# KiCad board Panel_R0.5.1_300x300_2layer_step1.kicad_pcb (continued)
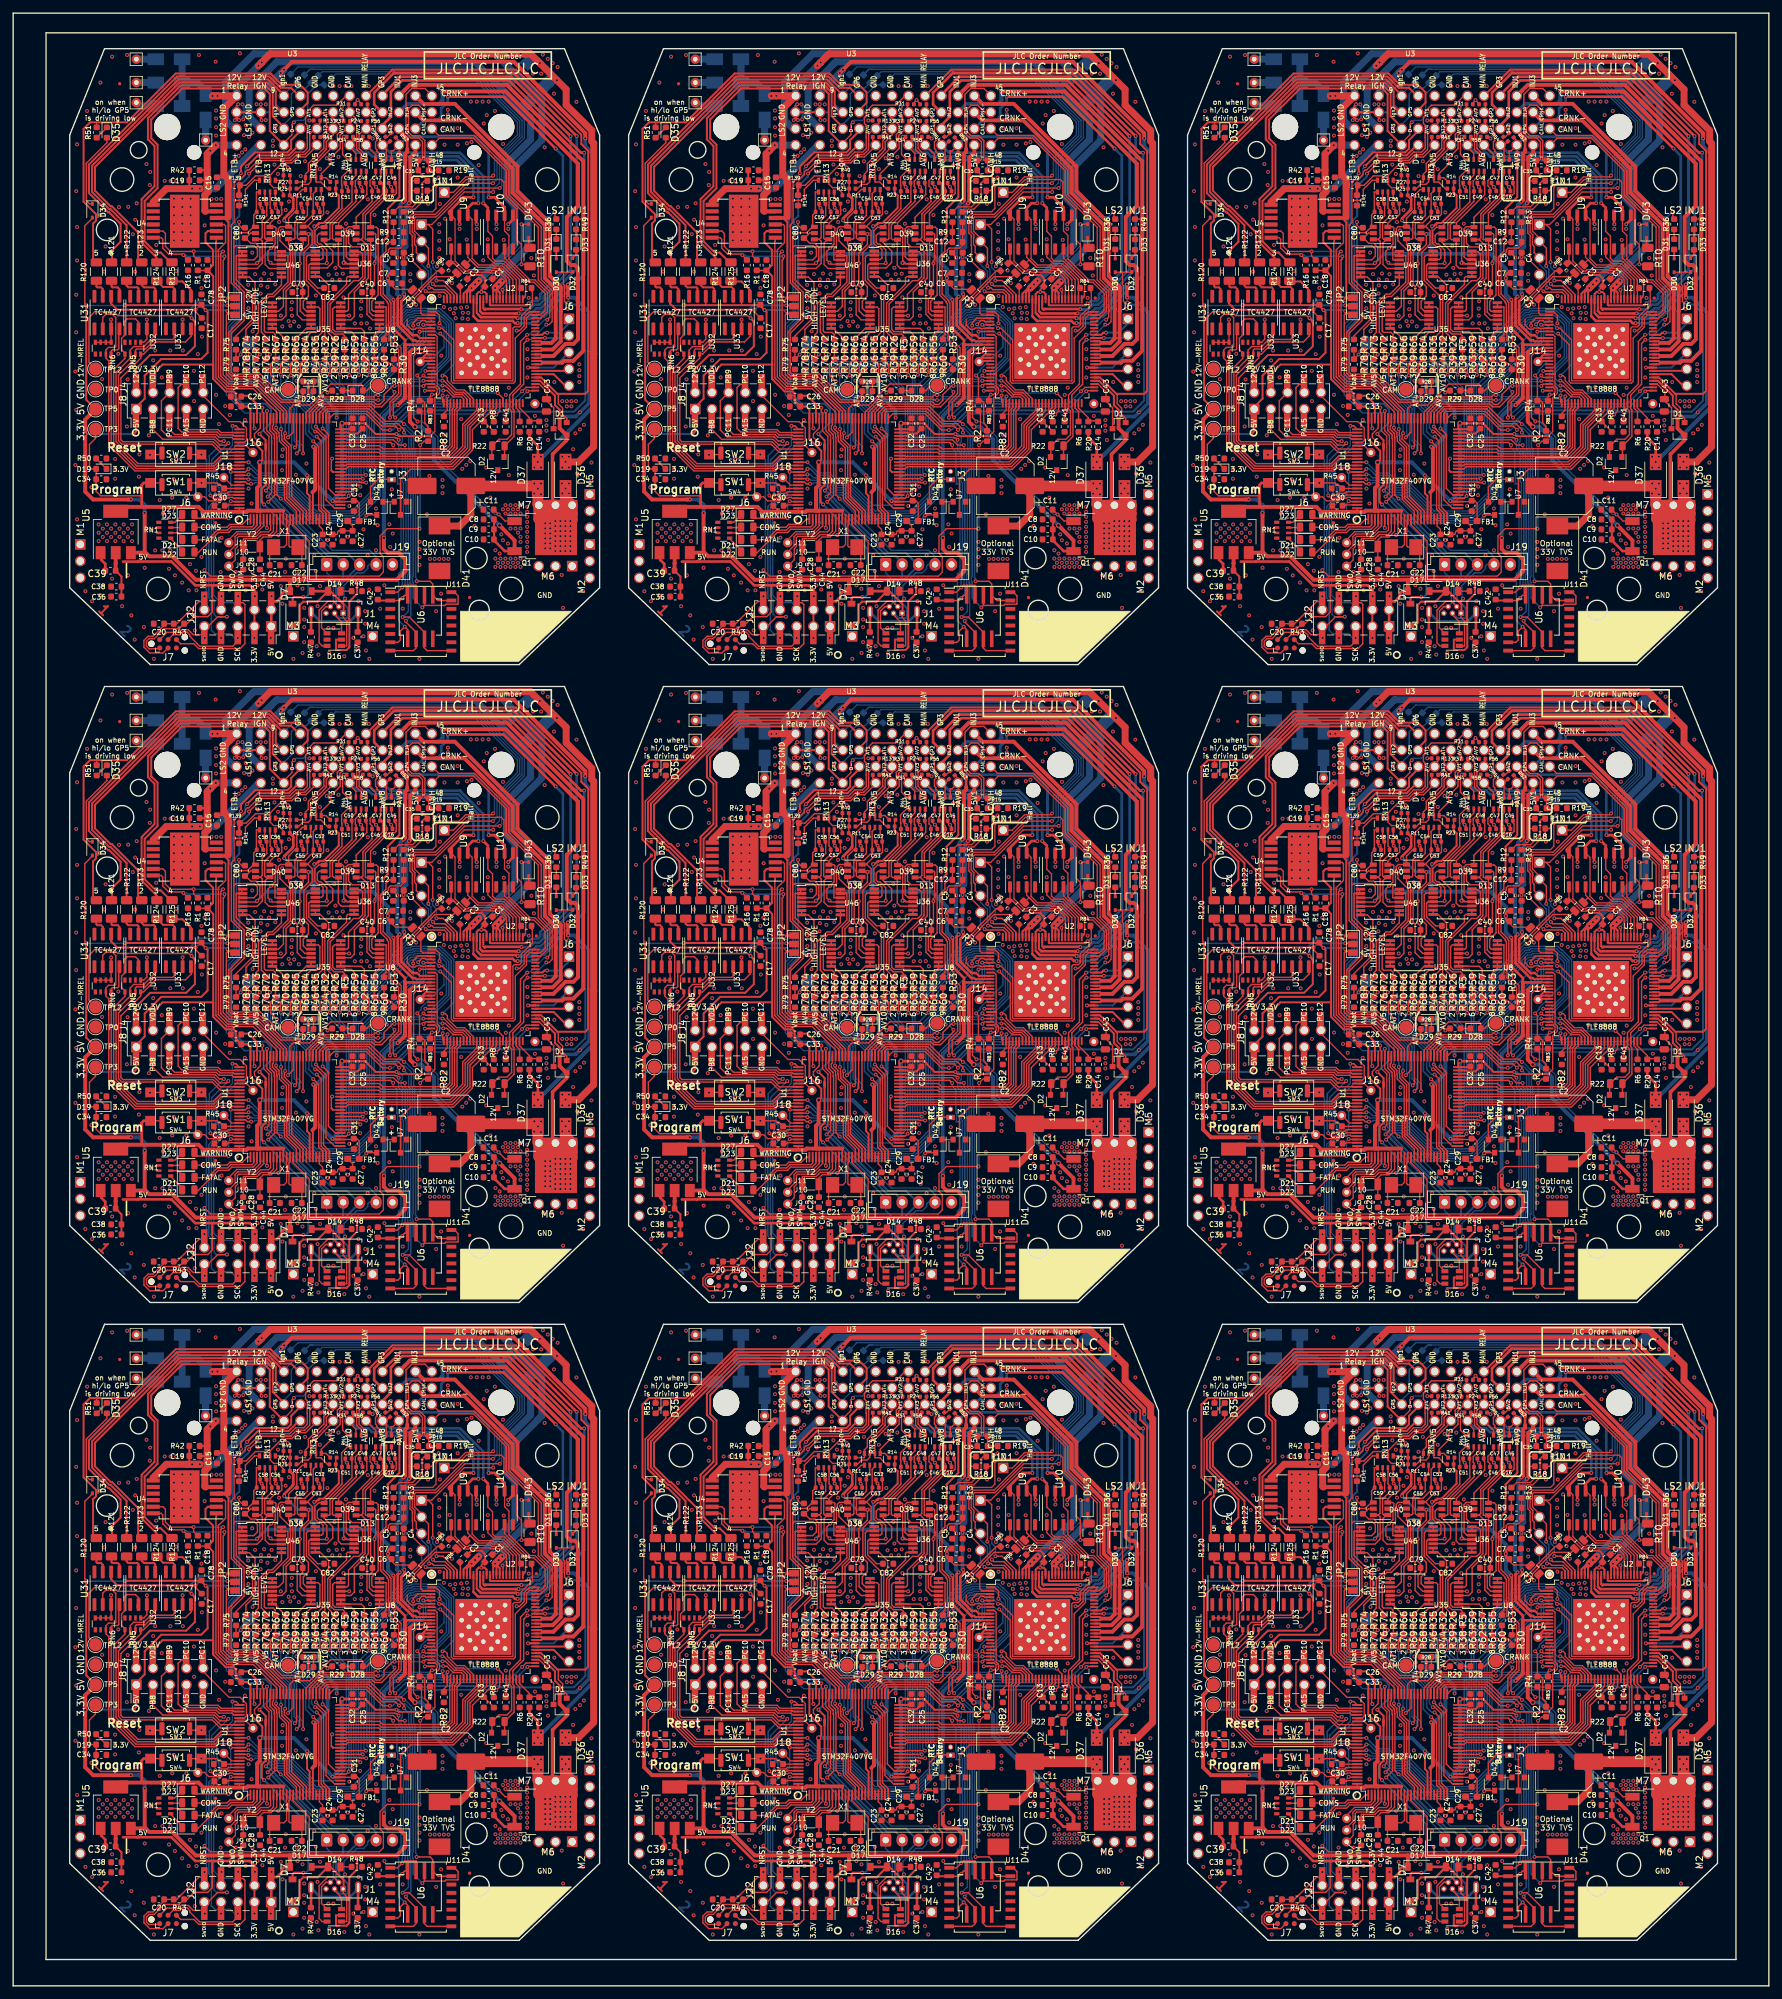
[diagram p0: board, top side]
## Routing (per net, layer and track width the routed paths; a pad name or vN(x,y) marks a point on that pad's centre or on a via; arc(x,y) is an arc through that point) (continued)
/TLE8888-1QK/V6GATE: length 334.2
  Top w0.216: C11#2.1 v1(158.83,223.76) 159.83,222.76 Q1#2.1 ; v1(146.5,237.9) 145.9,238.5 145.9,247.9 146.35,248.35 147.42,248.35 147.66,248.6 U2#2.13 ; C11#3.1 v1(243.83,223.76) 244.83,222.76 Q1#3.1 ; v1(231.5,237.9) 230.9,238.5 230.9,247.9 231.35,248.35 232.42,248.35 232.66,248.6 U2#3.13 ; C11#6.1 v1(73.83,126.76) 74.83,125.76 Q1#6.1 ; v1(61.5,140.9) 60.9,141.5 60.9,150.9 61.35,151.35 62.42,151.35 62.66,151.6 U2#4.13 ; C11#4.1 v1(158.83,126.76) 159.83,125.76 Q1#4.1 ; v1(146.5,140.9) 145.9,141.5 145.9,150.9 146.35,151.35 147.42,151.35 147.66,151.6 U2#6.13 ; C11#5.1 v1(243.83,126.76) 244.83,125.76 Q1#5.1 ; v1(231.5,140.9) 230.9,141.5 230.9,150.9 231.35,151.35 232.42,151.35 232.66,151.6 U2#5.13 ; C11#8.1 v1(158.83,29.76) 159.83,28.76 Q1#8.1 ; U2#9.13 147.66,54.6 147.42,54.35 146.35,54.35 145.9,53.9 145.9,44.5 v1(146.5,43.9) ; C11#7.1 v1(243.83,29.76) 244.83,28.76 Q1#7.1 ; v1(231.5,43.9) 230.9,44.5 230.9,53.9 231.35,54.35 232.42,54.35 232.66,54.6 U2#8.13 ; v1(61.5,43.9) 60.9,44.5 60.9,53.9 61.35,54.35 62.42,54.35 62.66,54.6 U2#7.13 ; C11#9.1 v1(73.83,29.76) 74.83,28.76 Q1#9.1 ; v1(61.5,237.9) 60.9,238.5 60.9,247.9 61.35,248.35 62.42,248.35 62.66,248.6 U2.13 ; C11.1 v1(73.83,223.76) 74.83,222.76 Q1.1
  Bottom w0.203: v1(146.5,237.9) 147.2,237.9 149.6,235.5 149.6,233 ; v1(231.5,237.9) 232.2,237.9 234.6,235.5 234.6,233 ; v1(61.5,140.9) 62.2,140.9 64.6,138.5 64.6,136 ; v1(146.5,140.9) 147.2,140.9 149.6,138.5 149.6,136 ; 234.6,136 234.6,138.5 232.2,140.9 v1(231.5,140.9) ; v1(146.5,43.9) 147.2,43.9 149.6,41.5 149.6,39 ; 234.6,39 234.6,41.5 232.2,43.9 v1(231.5,43.9) ; v1(61.5,43.9) 62.2,43.9 64.6,41.5 64.6,39 ; v1(61.5,237.9) 62.2,237.9 64.6,235.5 64.6,233
  Bottom w0.216: 149.6,233 149.6,232.4 158.24,223.76 v1(158.83,223.76) ; v1(243.83,223.76) 243.24,223.76 234.6,232.4 234.6,233 ; 64.6,136 64.6,135.4 73.24,126.76 v1(73.83,126.76) ; v1(158.83,126.76) 158.24,126.76 149.6,135.4 149.6,136 ; 234.6,136 234.6,135.4 243.24,126.76 v1(243.83,126.76) ; v1(158.83,29.76) 158.24,29.76 149.6,38.4 149.6,39 ; v1(243.83,29.76) 243.24,29.76 234.6,38.4 234.6,39 ; 64.6,39 64.6,38.4 73.24,29.76 v1(73.83,29.76) ; v1(73.83,223.76) 73.24,223.76 64.6,232.4 64.6,233
/TLE8888-1QK/V6V: length 431.6
  Top w0.305: 158.12,220.05 158.12,223.01 C8#2.1 158.2,223.02 ; 147.1,248.9 147.32,248.92 147.5,249.1 147.5,249.1 U2#2.12 ; 243.12,220.05 243.12,223.01 C8#3.1 243.2,223.02 ; U2#3.12 232.5,249.1 232.5,249.1 232.32,248.92 232.1,248.9 ; 73.12,123.05 73.12,126.01 C8#6.1 73.2,126.02 ; 62.1,151.9 62.32,151.92 62.5,152.1 62.5,152.1 U2#4.12 ; 158.12,123.05 158.12,126.01 C8#4.1 158.2,126.02 ; U2#6.12 147.5,152.1 147.5,152.1 147.32,151.92 147.1,151.9 ; 243.12,123.05 243.12,126.01 C8#5.1 243.2,126.02 ; 232.1,151.9 232.32,151.92 232.5,152.1 232.5,152.1 U2#5.12 ; 158.12,26.05 158.12,29.01 C8#8.1 158.2,29.02 ; U2#9.12 147.5,55.1 147.5,55.1 147.32,54.92 147.1,54.9 ; 243.12,26.05 243.12,29.01 C8#7.1 243.2,29.02 ; U2#8.12 232.5,55.1 232.5,55.1 232.32,54.92 232.1,54.9 ; 62.1,54.9 62.32,54.92 62.5,55.1 62.5,55.1 U2#7.12 ; 73.2,29.02 C8#9.1 73.12,29.01 73.12,26.05 ; 73.2,223.02 C8.1 73.12,223.01 73.12,220.05 ; U2.12 62.5,249.1 62.5,249.1 62.32,248.92 62.1,248.9
  Top w0.406: 145.4,248.5 145.82,248.92 147.08,248.92 ; C10#2.1 158.12,219.83 159.75,218.2 Q1#2.3 ; 232.08,248.92 230.82,248.92 230.4,248.5 ; C10#3.1 243.12,219.83 244.75,218.2 Q1#3.3 ; 60.4,151.5 60.82,151.92 62.08,151.92 ; C10#6.1 73.12,122.83 74.75,121.2 Q1#6.3 ; 147.08,151.92 145.82,151.92 145.4,151.5 ; C10#4.1 158.12,122.83 159.75,121.2 Q1#4.3 ; C10#5.1 243.12,122.83 244.75,121.2 Q1#5.3 ; 232.08,151.92 230.82,151.92 230.4,151.5 ; Q1#7.3 244.75,24.2 243.12,25.83 C10#7.1 ; 147.08,54.92 145.82,54.92 145.4,54.5 ; C10#8.1 158.12,25.83 159.75,24.2 Q1#8.3 ; 232.08,54.92 230.82,54.92 230.4,54.5 ; 62.08,54.92 60.82,54.92 60.4,54.5 ; Q1#9.3 74.75,24.2 73.12,25.83 C10#9.1 ; 60.4,248.5 60.82,248.92 62.08,248.92 ; C10.1 73.12,219.83 74.75,218.2 Q1.3
  Top w0.6: 145.4,248.5 145.34,248.44 145.34,237.86 v2(146.1,237.1) ; Q1#2.3 161.26,219.81 v2(158.98,222.09) ; 230.4,248.5 230.34,248.44 230.34,237.86 v2(231.1,237.1) ; v2(243.98,222.09) 246.26,219.81 Q1#3.3 ; 60.4,151.5 60.34,151.44 60.34,140.86 v2(61.1,140.1) ; Q1#6.3 76.26,122.81 v2(73.98,125.09) ; 145.4,151.5 145.34,151.44 145.34,140.86 v2(146.1,140.1) ; v2(158.98,125.09) 161.26,122.81 Q1#4.3 ; 230.4,151.5 230.34,151.44 230.34,140.86 v2(231.1,140.1) ; v2(243.98,125.09) 246.26,122.81 Q1#5.3 ; 145.4,54.5 145.34,54.44 145.34,43.86 v2(146.1,43.1) ; v2(158.98,28.09) 161.26,25.81 Q1#8.3 ; 230.4,54.5 230.34,54.44 230.34,43.86 v2(231.1,43.1) ; Q1#7.3 246.26,25.81 v2(243.98,28.09) ; v2(61.1,43.1) 60.34,43.86 60.34,54.44 60.4,54.5 ; v2(73.98,28.09) 76.26,25.81 Q1#9.3 ; v2(73.98,222.09) 76.26,219.81 Q1.3 ; 60.4,248.5 60.34,248.44 60.34,237.86 v2(61.1,237.1)
  Bottom w0.6: v2(158.98,222.09) 149,232.06 149,235.2 147.1,237.1 v2(146.1,237.1) ; v2(231.1,237.1) 232.1,237.1 234,235.2 234,232.06 v2(243.98,222.09) ; v2(73.98,125.09) 64,135.06 64,138.2 62.1,140.1 v2(61.1,140.1) ; v2(146.1,140.1) 147.1,140.1 149,138.2 149,135.06 v2(158.98,125.09) ; v2(231.1,140.1) 232.1,140.1 234,138.2 234,135.06 v2(243.98,125.09) ; v2(146.1,43.1) 147.1,43.1 149,41.2 149,38.06 v2(158.98,28.09) ; v2(231.1,43.1) 232.1,43.1 234,41.2 234,38.06 v2(243.98,28.09) ; v2(61.1,43.1) 62.1,43.1 64,41.2 64,38.06 v2(73.98,28.09) ; v2(61.1,237.1) 62.1,237.1 64,235.2 64,232.06 v2(73.98,222.09)
/Vbat_MCU: length 274.4
  Top w0.216: v1(121,248.1) 120.4,247.5 R78#2.2 R74#2.1 ; v1(124.99,236.95) 124.99,236.67 125.44,236.22 125.44,235.63 125.5,235.57 125.5,234.91 126.55,233.86 126.55,228.5 126.62,228.43 126.62,226.22 128.59,224.25 U1#2.16 ; v1(206,248.1) 205.4,247.5 R78#3.2 R74#3.1 ; v1(209.99,236.95) 209.99,236.67 210.44,236.22 210.44,235.63 210.5,235.57 210.5,234.91 211.55,233.86 211.55,228.5 211.62,228.43 211.62,226.22 213.59,224.25 U1#3.16 ; R74#5.1 R78#5.2 205.4,150.5 v1(206,151.1) ; v1(209.99,139.95) 209.99,139.67 210.44,139.22 210.44,138.63 210.5,138.57 210.5,137.91 211.55,136.86 211.55,131.5 211.62,131.43 211.62,129.22 213.59,127.25 U1#5.16 ; v1(36,151.1) 35.4,150.5 R78#4.2 R74#4.1 ; v1(39.99,139.95) 39.99,139.67 40.44,139.22 40.44,138.63 40.5,138.57 40.5,137.91 41.55,136.86 41.55,131.5 41.62,131.43 41.62,129.22 43.59,127.25 U1#4.16 ; v1(121,151.1) 120.4,150.5 R78#6.2 R74#6.1 ; v1(124.99,139.95) 124.99,139.67 125.44,139.22 125.44,138.63 125.5,138.57 125.5,137.91 126.55,136.86 126.55,131.5 126.62,131.43 126.62,129.22 128.59,127.25 U1#6.16 ; v1(36,54.1) 35.4,53.5 R78#9.2 R74#7.1 ; v1(39.99,42.95) 39.99,42.67 40.44,42.22 40.44,41.63 40.5,41.57 40.5,40.91 41.55,39.86 41.55,34.5 41.62,34.43 41.62,32.22 43.59,30.25 U1#7.16 ; R74#9.1 R78#8.2 120.4,53.5 v1(121,54.1) ; U1#9.16 128.59,30.25 126.62,32.22 126.62,34.43 126.55,34.5 126.55,39.86 125.5,40.91 125.5,41.57 125.44,41.63 125.44,42.22 124.99,42.67 v1(124.99,42.95) ; R74#8.1 R78#7.2 205.4,53.5 v1(206,54.1) ; v1(209.99,42.95) 209.99,42.67 210.44,42.22 210.44,41.63 210.5,41.57 210.5,40.91 211.55,39.86 211.55,34.5 211.62,34.43 211.62,32.22 213.59,30.25 U1#8.16 ; v1(39.99,236.95) 39.99,236.67 40.44,236.22 40.44,235.63 40.5,235.57 40.5,234.91 41.55,233.86 41.55,228.5 41.62,228.43 41.62,226.22 43.59,224.25 U1.16 ; v1(36,248.1) 35.4,247.5 R78.2 R74.1
  Bottom w0.216: v1(124.99,236.95) 124.99,240.01 121,244 121,248 ; 206,248 206,244 209.99,240.01 v1(209.99,236.95) ; 206,151 206,147 209.99,143.01 v1(209.99,139.95) ; v1(39.99,139.95) 39.99,143.01 36,147 36,151 ; 121,151 121,147 124.99,143.01 v1(124.99,139.95) ; v1(39.99,42.95) 39.99,46.01 36,50 36,54 ; 121,54 121,50 124.99,46.01 v1(124.99,42.95) ; 206,54 206,50 209.99,46.01 v1(209.99,42.95) ; 36,248 36,244 39.99,240.01 v1(39.99,236.95)
/VDD: length 2678.8
  Top w0.203: SW1#2.1 107.63,228.56 ; R4#2.1 146.8,239.3 147.1,239 147.1,235.67 148.17,235.67 ; U1#2.28 136.68,225.72 C31#2.2 137.28,225.84 137.63,225.49 FB1#2.1 ; U2#2.20 149.22,245.1 ; 149.22,245.1 149.47,245.1 149.48,245.09 149.48,243.31 149.83,242.96 149.83,242.21 149.13,241.5 149.13,236.37 148.43,235.67 143.6,235.67 v1(143.29,235.99) ; 149.22,245.1 149.48,245.1 149.48,250.81 149.19,251.1 U2#2.8 ; SW1#3.1 192.63,228.56 ; U1#3.28 221.68,225.72 C31#3.2 222.28,225.84 222.63,225.49 FB1#3.1 ; R4#3.1 231.8,239.3 232.1,239 232.1,235.67 233.17,235.67 ; U2#3.8 234.19,251.1 234.48,250.81 234.48,245.1 234.23,245.1 ; 234.23,245.1 234.48,245.1 234.48,245.09 234.48,243.31 234.83,242.96 234.83,242.21 234.13,241.5 234.13,236.37 233.43,235.67 228.6,235.67 v1(228.29,235.99) ; 234.23,245.1 U2#3.20 ; SW1#5.1 192.63,131.56 ; U1#5.28 221.68,128.72 C31#5.2 222.28,128.84 222.63,128.49 FB1#5.1 ; U2#5.8 234.19,154.1 234.48,153.81 234.48,148.1 234.23,148.1 ; R4#5.1 231.8,142.3 232.1,142 232.1,138.67 233.17,138.67 ; 234.23,148.1 U2#5.20 ; 234.23,148.1 234.48,148.1 234.48,148.09 234.48,146.31 234.83,145.96 234.83,145.21 234.13,144.5 234.13,139.37 233.43,138.67 228.6,138.67 v1(228.29,138.99) ; SW1#6.1 107.63,131.56 ; U1#6.28 136.68,128.72 C31#4.2 137.28,128.84 137.63,128.49 FB1#4.1 ; R4#4.1 146.8,142.3 147.1,142 147.1,138.67 148.17,138.67 ; U2#6.8 149.19,154.1 149.48,153.81 149.48,148.1 149.22,148.1 ; 149.22,148.1 149.47,148.1 149.48,148.09 149.48,146.31 149.83,145.96 149.83,145.21 149.13,144.5 149.13,139.37 148.43,138.67 143.6,138.67 v1(143.29,138.99) ; 149.22,148.1 U2#6.20 ; SW1#4.1 22.63,131.56 ; R4#6.1 61.8,142.3 62.1,142 62.1,138.67 63.17,138.67 ; U1#4.28 51.68,128.72 C31#6.2 52.28,128.84 52.63,128.49 FB1#6.1 ; U2#4.20 64.22,148.1 ; 64.22,148.1 64.47,148.1 64.48,148.09 64.48,146.31 64.83,145.96 64.83,145.21 64.13,144.5 64.13,139.37 63.43,138.67 58.6,138.67 v1(58.29,138.99) ; 64.22,148.1 64.48,148.1 64.48,153.81 64.19,154.1 U2#4.8 ; SW1#8.1 192.63,34.56 ; R4#7.1 231.8,45.3 232.1,45 232.1,41.67 233.17,41.67 ; U2#8.8 234.19,57.1 234.48,56.81 234.48,51.1 234.23,51.1 ; U1#8.28 221.68,31.72 C31#7.2 222.28,31.84 222.63,31.49 FB1#7.1 ; 234.23,51.1 U2#8.20 ; 234.23,51.1 234.48,51.1 234.48,51.09 234.48,49.31 234.83,48.96 234.83,48.21 234.13,47.5 234.13,42.37 233.43,41.67 228.6,41.67 v1(228.29,41.99) ; U1#9.28 136.68,31.72 C31#9.2 137.28,31.84 137.63,31.49 FB1#8.1 ; SW1#9.1 107.63,34.56 ; 149.22,51.1 149.47,51.1 149.48,51.09 149.48,49.31 149.83,48.96 149.83,48.21 149.13,47.5 149.13,42.37 148.43,41.67 143.6,41.67 v1(143.29,41.99) ; 149.22,51.1 U2#9.20 ; 149.22,51.1 149.48,51.1 149.48,56.81 149.19,57.1 U2#9.8 ; R4#9.1 146.8,45.3 147.1,45 147.1,41.67 148.17,41.67 ; SW1#7.1 22.63,34.56 ; R4#8.1 61.8,45.3 62.1,45 62.1,41.67 63.17,41.67 ; U1#7.28 51.68,31.72 C31#8.2 52.28,31.84 52.63,31.49 FB1#9.1 ; U2#7.20 64.22,51.1 ; 64.22,51.1 64.47,51.1 64.48,51.09 64.48,49.31 64.83,48.96 64.83,48.21 64.13,47.5 64.13,42.37 63.43,41.67 58.6,41.67 v1(58.29,41.99) ; 64.22,51.1 64.48,51.1 64.48,56.81 64.19,57.1 U2#7.8 ; SW1.1 22.63,228.56 ; R4.1 61.8,239.3 62.1,239 62.1,235.67 63.17,235.67 ; U2.8 64.19,251.1 64.48,250.81 64.48,245.1 64.22,245.1 ; 64.22,245.1 64.47,245.1 64.48,245.09 64.48,243.31 64.83,242.96 64.83,242.21 64.13,241.5 64.13,236.37 63.43,235.67 58.6,235.67 v1(58.29,235.99) ; 64.22,245.1 U2.20 ; U1.28 51.68,225.72 C31.2 52.28,225.84 52.63,225.49 FB1.1
  Top w0.216: U1#2.100 119.4,224.71 119.4,224.15 ; U1#2.11 126.09,224.45 ; 114.64,266.81 114.68,266.86 U4#2.2 ; 117.78,223.98 117.76,224 ; 114.58,260.87 113.08,260.87 ; 97.51,236.74 97.51,235.32 96.6,234.41 96.6,231 96.91,230.69 D19#2.2 97.61,227.29 98.3,226.6 104.47,226.6 104.55,226.68 ; 117.11,224.15 116.55,224.15 C30#2.2 ; 145.01,212.46 U6#2.8 144.52,211.46 144.17,211.12 v1(144.17,211.02) 143.83,210.68 U11#2.2 ; J7#2.1 107.17,203.34 105.66,203.34 105.26,203.73 105.26,204.46 105.68,204.87 106.46,204.87 107.97,206.38 110.21,206.38 110.97,207.14 R43#2.1 111.44,207.14 112.51,208.22 114.59,208.22 115.29,208.92 115.29,212.99 ; v1(143.29,235.99) 143.61,235.67 148.17,235.67 ; 149.47,245.1 U2#2.20 ; 199.64,266.81 199.68,266.86 U4#3.2 ; 202.78,223.98 202.76,224 ; U1#3.11 211.09,224.45 ; U1#3.100 204.4,224.71 204.4,224.15 ; 182.51,236.74 182.51,235.32 181.6,234.41 181.6,231 181.91,230.69 D19#3.2 182.61,227.29 183.3,226.6 189.47,226.6 189.55,226.68 ; 199.58,260.87 198.08,260.87 ; 230.01,212.46 U6#3.8 229.52,211.46 229.17,211.12 v1(229.17,211.02) 228.83,210.68 U11#3.2 ; 202.11,224.15 201.55,224.15 C30#3.2 ; 200.29,212.99 200.29,208.92 199.59,208.22 197.51,208.22 196.44,207.14 R43#3.1 195.97,207.14 195.21,206.38 192.97,206.38 191.46,204.87 190.68,204.87 190.26,204.46 190.26,203.73 190.66,203.34 192.17,203.34 J7#3.1 ; v1(228.29,235.99) 228.61,235.67 233.17,235.67 ; 234.48,245.1 U2#3.20 ; 199.64,169.81 199.68,169.86 U4#5.2 ; 202.78,126.98 202.76,127 ; U1#5.11 211.09,127.45 ; U1#5.100 204.4,127.71 204.4,127.15 ; 200.29,115.99 200.29,111.92 199.59,111.22 197.51,111.22 196.44,110.15 R43#4.1 195.97,110.15 195.21,109.38 192.97,109.38 191.46,107.87 190.68,107.87 190.26,107.46 190.26,106.73 190.66,106.34 192.17,106.34 J7#5.1 ; 230.01,115.46 U6#5.8 229.52,114.46 229.17,114.12 v1(229.17,114.02) 228.83,113.68 U11#5.2 ; 202.11,127.15 201.55,127.15 C30#5.2 ; 189.55,129.68 189.47,129.6 183.3,129.6 182.61,130.29 D19#5.2 181.91,133.69 181.6,134 181.6,137.41 182.51,138.32 182.51,139.74 ; 199.58,163.87 198.08,163.87 ; v1(228.29,138.99) 228.61,138.67 233.17,138.67 ; 234.48,148.1 U2#5.20 ; 114.64,169.81 114.68,169.86 U4#4.2 ; 117.78,126.98 117.76,127 ; U1#6.11 126.09,127.45 ; U1#6.100 119.4,127.71 119.4,127.15 ; 97.51,139.74 97.51,138.32 96.6,137.41 96.6,134 96.91,133.69 D19#6.2 97.61,130.29 98.3,129.6 104.47,129.6 104.55,129.68 ; 114.58,163.87 113.08,163.87 ; 145.01,115.46 U6#6.8 144.52,114.46 144.17,114.12 v1(144.17,114.02) 143.83,113.68 U11#4.2 ; 117.11,127.15 116.55,127.15 C30#4.2 ; 115.29,115.99 115.29,111.92 114.59,111.22 112.51,111.22 111.44,110.15 R43#5.1 110.97,110.15 110.21,109.38 107.97,109.38 106.46,107.87 105.68,107.87 105.26,107.46 105.26,106.73 105.66,106.34 107.17,106.34 J7#6.1 ; v1(143.29,138.99) 143.61,138.67 148.17,138.67 ; 149.47,148.1 U2#6.20 ; U1#4.100 34.4,127.71 34.4,127.15 ; U1#4.11 41.09,127.45 ; 29.64,169.81 29.68,169.86 U4#6.2 ; 32.78,126.98 32.76,127 ; 29.58,163.87 28.08,163.87 ; 12.51,139.74 12.51,138.32 11.6,137.41 11.6,134 11.91,133.69 D19#4.2 12.61,130.29 13.3,129.6 19.47,129.6 19.55,129.68 ; 32.11,127.15 31.55,127.15 C30#6.2 ; 60.01,115.46 U6#4.8 59.52,114.46 59.17,114.12 v1(59.17,114.02) 58.83,113.68 U11#6.2 ; J7#4.1 22.17,106.34 20.66,106.34 20.26,106.73 20.26,107.46 20.68,107.87 21.46,107.87 22.97,109.38 25.21,109.38 25.97,110.15 R43#6.1 26.44,110.15 27.51,111.22 29.59,111.22 30.29,111.92 30.29,115.99 ; v1(58.29,138.99) 58.61,138.67 63.17,138.67 ; 64.47,148.1 U2#4.20 ; 202.78,29.98 202.76,30 ; 199.64,72.81 199.68,72.86 U4#7.2 ; U1#8.11 211.09,30.45 ; U1#8.100 204.4,30.71 204.4,30.15 ; 182.51,42.74 182.51,41.32 181.6,40.41 181.6,37 181.91,36.69 D19#7.2 182.61,33.29 183.3,32.6 189.47,32.6 189.55,32.68 ; 199.58,66.87 198.08,66.87 ; 230.01,18.46 U6#8.8 229.52,17.46 229.17,17.12 v1(229.17,17.02) 228.83,16.68 U11#7.2 ; 200.29,18.99 200.29,14.92 199.59,14.22 197.51,14.22 196.44,13.14 R43#7.1 195.97,13.14 195.21,12.38 192.97,12.38 191.46,10.87 190.68,10.87 190.26,10.46 190.26,9.73 190.66,9.34 192.17,9.34 J7#8.1 ; 202.11,30.15 201.55,30.15 C30#7.2 ; v1(228.29,41.99) 228.61,41.67 233.17,41.67 ; 114.64,72.81 114.68,72.86 U4#8.2 ; 119.4,30.15 119.4,30.71 U1#9.100 ; 97.51,42.74 97.51,41.32 96.6,40.41 96.6,37 96.91,36.69 D19#9.2 97.61,33.29 98.3,32.6 104.47,32.6 104.55,32.68 ; U1#9.11 126.09,30.45 ; 117.78,29.98 117.76,30 ; 115.29,18.99 115.29,14.92 114.59,14.22 112.51,14.22 111.44,13.14 R43#8.1 110.97,13.14 110.21,12.38 107.97,12.38 106.46,10.87 105.68,10.87 105.26,10.46 105.26,9.73 105.66,9.34 107.17,9.34 J7#9.1 ; U11#8.2 143.83,16.68 v1(144.17,17.02) 144.17,17.12 144.52,17.46 U6#9.8 145.01,18.46 ; 117.11,30.15 116.55,30.15 C30#9.2 ; 114.58,66.87 113.08,66.87 ; 149.47,51.1 U2#9.20 ; 148.17,41.67 143.61,41.67 v1(143.29,41.99) ; U1#7.100 34.4,30.71 34.4,30.15 ; 29.64,72.81 29.68,72.86 U4#9.2 ; U1#7.11 41.09,30.45 ; 32.78,29.98 32.76,30 ; 29.58,66.87 28.08,66.87 ; 12.51,42.74 12.51,41.32 11.6,40.41 11.6,37 11.91,36.69 D19#8.2 12.61,33.29 13.3,32.6 19.47,32.6 19.55,32.68 ; 60.01,18.46 U6#7.8 59.52,17.46 59.17,17.12 v1(59.17,17.02) 58.83,16.68 U11#9.2 ; 32.11,30.15 31.55,30.15 C30#8.2 ; J7#7.1 22.17,9.34 20.66,9.34 20.26,9.73 20.26,10.46 20.68,10.87 21.46,10.87 22.97,12.38 25.21,12.38 25.97,13.14 R43#9.1 26.44,13.14 27.51,14.22 29.59,14.22 30.29,14.92 30.29,18.99 ; v1(58.29,41.99) 58.61,41.67 63.17,41.67 ; 64.47,51.1 U2#7.20 ; 234.48,51.1 U2#8.20 ; 64.47,245.1 U2.20 ; 29.64,266.81 29.68,266.86 U4.2 ; 60.01,212.46 U6.8 59.52,211.46 59.17,211.12 v1(59.17,211.02) 58.83,210.68 U11.2 ; 29.58,260.87 28.08,260.87 ; 32.78,223.98 32.76,224 ; U1.11 41.09,224.45 ; 34.4,224.15 34.4,224.71 U1.100 ; 63.17,235.67 58.61,235.67 v1(58.29,235.99) ; 30.29,212.99 30.29,208.92 29.59,208.22 27.51,208.22 26.44,207.14 R43.1 25.97,207.14 25.21,206.38 22.97,206.38 21.46,204.87 20.68,204.87 20.26,204.46 20.26,203.73 20.66,203.34 22.17,203.34 J7.1 ; C30.2 31.55,224.15 32.11,224.15 ; 12.51,236.74 12.51,235.32 11.6,234.41 11.6,231 11.91,230.69 D19.2 12.61,227.29 13.3,226.6 19.47,226.6 19.55,226.68
  Top w0.305: 36.7,206.25 36.7,209.75 ; 121.7,206.25 121.7,209.75 ; C36#2.2 101.47,212.83 101.45,212.86 C38#2.1 101.47,214.32 C39#2.2 ; 119.22,240.68 119.69,240.22 118.97,240.93 ; 119.22,240.68 118.97,240.93 ; 119.22,240.68 118.85,241.05 118.85,242.16 118.55,242.47 117.32,242.47 115.42,244.36 115.42,244.59 ; 118.97,240.93 119.7,240.2 120.6,240.2 121.09,239.71 U1#2.75 121.09,235.23 122.89,233.42 122.89,232.09 v2(122.5,231.7) ; v1(143.29,235.99) 140.14,235.99 138.91,237.23 138.91,237.25 138.6,237.55 138.58,237.55 138.51,237.62 v2(135.02,237.62) 134.76,237.37 U1#2.50 136.5,236.72 C32#2.2 ; 115.42,244.59 115.42,246.57 107.72,246.57 106.6,245.45 106.6,243.5 ; 115.42,244.59 115.42,244.59 115.42,260.02 114.58,260.87 115.39,261.68 115.39,264.01 114.25,265.15 114.25,266.51 114.6,266.86 U4#2.2 ; C42#2.2 140.59,210.68 U11#2.2 ; v1(133.58,225.81) 133.68,225.72 U1#2.28 ; v1(129.7,229.7) 129.7,226.98 130.09,226.59 U1#2.19 ; 206.7,206.25 206.7,209.75 ; C36#3.2 186.47,212.83 186.45,212.86 C38#3.1 186.47,214.32 C39#3.2 ; v1(228.29,235.99) 225.14,235.99 223.91,237.23 223.91,237.25 223.6,237.55 223.58,237.55 223.51,237.62 v2(220.02,237.62) 219.76,237.37 U1#3.50 221.5,236.72 C32#3.2 ; 203.97,240.93 204.22,240.68 ; 203.97,240.93 204.69,240.22 204.22,240.68 ; 203.97,240.93 204.7,240.2 205.6,240.2 206.09,239.71 U1#3.75 206.09,235.23 207.89,233.42 207.89,232.09 v2(207.5,231.7) ; 204.22,240.68 203.85,241.05 203.85,242.16 203.55,242.47 202.32,242.47 200.42,244.36 200.42,244.59 ; 200.42,244.59 200.42,246.57 192.72,246.57 191.6,245.45 191.6,243.5 ; 200.42,244.59 200.42,244.59 200.42,260.02 199.58,260.87 200.39,261.68 200.39,264.01 199.25,265.15 199.25,266.51 199.6,266.86 U4#3.2 ; v1(218.58,225.81) 218.68,225.72 U1#3.28 ; C42#3.2 225.59,210.68 U11#3.2 ; U1#3.19 215.09,226.59 214.7,226.98 v1(214.7,229.7) ; v1(228.29,138.99) 225.14,138.99 223.91,140.23 223.91,140.25 223.6,140.55 223.58,140.55 223.51,140.62 v2(220.02,140.62) 219.76,140.37 U1#5.50 221.5,139.72 C32#5.2 ; 206.7,109.25 206.7,112.75 ; C36#5.2 186.47,115.83 186.45,115.86 C38#5.1 186.47,117.32 C39#4.2 ; C42#5.2 225.59,113.68 U11#5.2 ; 203.97,143.93 204.7,143.2 205.6,143.2 206.09,142.71 U1#5.75 206.09,138.23 207.89,136.42 207.89,135.09 v2(207.5,134.7) ; 203.97,143.93 204.22,143.68 ; 203.97,143.93 204.69,143.22 204.22,143.68 ; 204.22,143.68 203.85,144.05 203.85,145.16 203.55,145.47 202.32,145.47 200.42,147.36 200.42,147.59 ; v1(218.58,128.81) 218.68,128.72 U1#5.28 ; 200.42,147.59 200.42,149.57 192.72,149.57 191.6,148.45 191.6,146.5 ; 200.42,147.59 200.42,147.59 200.42,163.02 199.58,163.87 200.39,164.68 200.39,167.01 199.25,168.15 199.25,169.51 199.6,169.86 U4#5.2 ; U1#5.19 215.09,129.59 214.7,129.98 v1(214.7,132.7) ; 121.7,109.25 121.7,112.75 ; C36#4.2 101.47,115.83 101.45,115.86 C38#4.1 101.47,117.32 C39#5.2 ; v1(143.29,138.99) 140.14,138.99 138.91,140.23 138.91,140.25 138.6,140.55 138.58,140.55 138.51,140.62 v2(135.02,140.62) 134.76,140.37 U1#6.50 136.5,139.72 C32#4.2 ; 118.97,143.93 119.22,143.68 ; 118.97,143.93 119.69,143.22 119.22,143.68 ; 118.97,143.93 119.7,143.2 120.6,143.2 121.09,142.71 U1#6.75 121.09,138.23 122.89,136.42 122.89,135.09 v2(122.5,134.7) ; 119.22,143.68 118.85,144.05 118.85,145.16 118.55,145.47 117.32,145.47 115.42,147.36 115.42,147.59 ; 115.42,147.59 115.42,149.57 107.72,149.57 106.6,148.45 106.6,146.5 ; 115.42,147.59 115.42,147.59 115.42,163.02 114.58,163.87 115.39,164.68 115.39,167.01 114.25,168.15 114.25,169.51 114.6,169.86 U4#4.2 ; v1(133.58,128.81) 133.68,128.72 U1#6.28 ; C42#4.2 140.59,113.68 U11#4.2 ; U1#6.19 130.09,129.59 129.7,129.98 v1(129.7,132.7) ; 36.7,109.25 36.7,112.75 ; C36#6.2 16.47,115.83 16.45,115.86 C38#6.1 16.47,117.32 C39#6.2 ; 34.22,143.68 34.69,143.22 33.97,143.93 ; 34.22,143.68 33.97,143.93 ; 34.22,143.68 33.85,144.05 33.85,145.16 33.55,145.47 32.32,145.47 30.42,147.36 30.42,147.59 ; 33.97,143.93 34.7,143.2 35.6,143.2 36.09,142.71 U1#4.75 36.09,138.23 37.89,136.42 37.89,135.09 v2(37.5,134.7) ; v1(58.29,138.99) 55.14,138.99 53.91,140.23 53.91,140.25 53.6,140.55 53.58,140.55 53.51,140.62 v2(50.02,140.62) 49.76,140.37 U1#4.50 51.5,139.72 C32#6.2 ; 30.42,147.59 30.42,149.57 22.72,149.57 21.6,148.45 21.6,146.5 ; 30.42,147.59 30.42,147.59 30.42,163.02 29.58,163.87 30.39,164.68 30.39,167.01 29.25,168.15 29.25,169.51 29.6,169.86 U4#6.2 ; C42#6.2 55.59,113.68 U11#6.2 ; v1(48.58,128.81) 48.68,128.72 U1#4.28 ; v1(44.7,132.7) 44.7,129.98 45.09,129.59 U1#4.19 ; v1(228.29,41.99) 225.14,41.99 223.91,43.23 223.91,43.25 223.6,43.55 223.58,43.55 223.51,43.62 v2(220.02,43.62) 219.76,43.37 U1#8.50 221.5,42.72 C32#7.2 ; 206.7,12.25 206.7,15.75 ; C36#7.2 186.47,18.83 186.45,18.86 C38#7.1 186.47,20.32 C39#7.2 ; 203.97,46.93 204.22,46.68 ; 203.97,46.93 204.69,46.22 204.22,46.68 ; 203.97,46.93 204.7,46.2 205.6,46.2 206.09,45.71 U1#8.75 206.09,41.23 207.89,39.42 207.89,38.09 v2(207.5,37.7) ; 204.22,46.68 203.85,47.05 203.85,48.16 203.55,48.47 202.32,48.47 200.42,50.36 200.42,50.59 ; 200.42,50.59 200.42,52.57 192.72,52.57 191.6,51.45 191.6,49.5 ; 200.42,50.59 200.42,50.59 200.42,66.02 199.58,66.87 200.39,67.68 200.39,70.01 199.25,71.15 199.25,72.51 199.6,72.86 U4#7.2 ; v1(218.58,31.81) 218.68,31.72 U1#8.28 ; C42#7.2 225.59,16.68 U11#7.2 ; v1(214.7,35.7) 214.7,32.98 215.09,32.59 U1#8.19 ; C36#9.2 101.47,18.83 101.45,18.86 C38#9.1 101.47,20.32 C39#8.2 ; v1(143.29,41.99) 140.14,41.99 138.91,43.23 138.91,43.25 138.6,43.55 138.58,43.55 138.51,43.62 v2(135.02,43.62) 134.76,43.37 U1#9.50 136.5,42.72 C32#9.2 ; 118.97,46.93 119.22,46.68 ; 118.97,46.93 119.69,46.22 119.22,46.68 ; 118.97,46.93 119.7,46.2 120.6,46.2 121.09,45.71 U1#9.75 121.09,41.23 122.89,39.42 122.89,38.09 v2(122.5,37.7) ; 119.22,46.68 118.85,47.05 118.85,48.16 118.55,48.47 117.32,48.47 115.42,50.36 115.42,50.59 ; 121.7,12.25 121.7,15.75 ; 115.42,50.59 115.42,52.57 107.72,52.57 106.6,51.45 106.6,49.5 ; 115.42,50.59 115.42,50.59 115.42,66.02 114.58,66.87 115.39,67.68 115.39,70.01 114.25,71.15 114.25,72.51 114.6,72.86 U4#8.2 ; U11#8.2 140.59,16.68 C42#9.2 ; U1#9.19 130.09,32.59 129.7,32.98 v1(129.7,35.7) ; v1(133.58,31.81) 133.68,31.72 U1#9.28 ; C36#8.2 16.47,18.83 16.45,18.86 C38#8.1 16.47,20.32 C39#9.2 ; 36.7,12.25 36.7,15.75 ; C42#8.2 55.59,16.68 U11#9.2 ; v1(58.29,41.99) 55.14,41.99 53.91,43.23 53.91,43.25 53.6,43.55 53.58,43.55 53.51,43.62 v2(50.02,43.62) 49.76,43.37 U1#7.50 51.5,42.72 C32#8.2 ; 30.42,50.59 30.42,50.36 32.32,48.47 33.55,48.47 33.85,48.16 33.85,47.05 34.22,46.68 ; 30.42,50.59 30.42,52.57 22.72,52.57 21.6,51.45 21.6,49.5 ; 30.42,50.59 30.42,50.59 30.42,66.02 29.58,66.87 30.39,67.68 30.39,70.01 29.25,71.15 29.25,72.51 29.6,72.86 U4#9.2 ; v1(48.58,31.81) 48.68,31.72 U1#7.28 ; 33.97,46.93 34.22,46.68 ; 33.97,46.93 34.69,46.22 34.22,46.68 ; 33.97,46.93 34.7,46.2 35.6,46.2 36.09,45.71 U1#7.75 36.09,41.23 37.89,39.42 37.89,38.09 v2(37.5,37.7) ; v1(44.7,35.7) 44.7,32.98 45.09,32.59 U1#7.19 ; 33.97,240.93 34.69,240.22 34.22,240.68 ; 33.97,240.93 34.7,240.2 35.6,240.2 36.09,239.71 U1.75 36.09,235.23 37.89,233.42 37.89,232.09 v2(37.5,231.7) ; 33.97,240.93 34.22,240.68 ; 30.42,244.59 30.42,246.57 22.72,246.57 21.6,245.45 21.6,243.5 ; 30.42,244.59 30.42,244.36 32.32,242.47 33.55,242.47 33.85,242.16 33.85,241.05 34.22,240.68 ; 30.42,244.59 30.42,244.59 30.42,260.02 29.58,260.87 30.39,261.68 30.39,264.01 29.25,265.15 29.25,266.51 29.6,266.86 U4.2 ; v1(58.29,235.99) 55.14,235.99 53.91,237.23 53.91,237.25 53.6,237.55 53.58,237.55 53.51,237.62 v2(50.02,237.62) 49.76,237.37 U1.50 51.5,236.72 C32.2 ; U1.28 48.68,225.72 v1(48.58,225.81) ; C39.2 16.47,214.32 C38.1 16.45,212.86 16.47,212.83 C36.2 ; U11.2 55.59,210.68 C42.2 ; U1.19 45.09,226.59 44.7,226.98 v1(44.7,229.7)
  Top w0.406: 100.6,217.7 U5#2.2 100.6,217.2 ; 135.92,237.62 v2(135.02,237.62) ; 104.55,224.91 104.55,228.25 104.86,228.56 SW1#2.1 ; 101.71,216.59 103.93,216.59 104.01,216.67 104.01,216.61 109.07,216.61 112.69,212.99 121.01,212.99 121.76,212.23 v1(121.76,211.34) ; 185.6,217.7 U5#3.2 185.6,217.2 ; 220.92,237.62 v2(220.02,237.62) ; 186.71,216.59 188.93,216.59 189.01,216.67 189.01,216.61 194.07,216.61 197.69,212.99 206.01,212.99 206.76,212.23 v1(206.76,211.34) ; SW1#3.1 189.86,228.56 189.55,228.25 189.55,224.91 ; 220.92,140.62 v2(220.02,140.62) ; 185.6,120.7 U5#4.2 185.6,120.2 ; 189.55,127.91 189.55,131.25 189.86,131.56 SW1#5.1 ; 186.71,119.59 188.93,119.59 189.01,119.67 189.01,119.61 194.07,119.61 197.69,115.99 206.01,115.99 206.76,115.23 v1(206.76,114.34) ; 100.6,120.7 U5#5.2 100.6,120.2 ; 135.92,140.62 v2(135.02,140.62) ; 101.71,119.59 103.93,119.59 104.01,119.67 104.01,119.61 109.07,119.61 112.69,115.99 121.01,115.99 121.76,115.23 v1(121.76,114.34) ; SW1#6.1 104.86,131.56 104.55,131.25 104.55,127.91 ; 15.6,120.7 U5#6.2 15.6,120.2 ; 50.92,140.62 v2(50.02,140.62) ; 19.55,127.91 19.55,131.25 19.86,131.56 SW1#4.1 ; 16.71,119.59 18.93,119.59 19.01,119.67 19.01,119.61 24.07,119.61 27.69,115.99 36.01,115.99 36.77,115.23 v1(36.77,114.34) ; 185.6,23.7 U5#7.2 185.6,23.2 ; 220.92,43.62 v2(220.02,43.62) ; 186.71,22.59 188.93,22.59 189.01,22.67 189.01,22.61 194.07,22.61 197.69,18.99 206.01,18.99 206.76,18.23 v1(206.76,17.34) ; SW1#8.1 189.86,34.56 189.55,34.25 189.55,30.91 ; 100.6,23.7 U5#8.2 100.6,23.2 ; 135.92,43.62 v2(135.02,43.62) ; 101.71,22.59 103.93,22.59 104.01,22.67 104.01,22.61 109.07,22.61 112.69,18.99 121.01,18.99 121.76,18.23 v1(121.76,17.34) ; SW1#9.1 104.86,34.56 104.55,34.25 104.55,30.91 ; 15.6,23.7 U5#9.2 15.6,23.2 ; 50.92,43.62 v2(50.02,43.62) ; 19.55,30.91 19.55,34.25 19.86,34.56 SW1#7.1 ; 16.71,22.59 18.93,22.59 19.01,22.67 19.01,22.61 24.07,22.61 27.69,18.99 36.01,18.99 36.77,18.23 v1(36.77,17.34) ; v1(36.77,211.34) 36.77,212.23 36.01,212.99 27.69,212.99 24.07,216.61 19.01,216.61 19.01,216.67 18.93,216.59 16.71,216.59 ; 50.92,237.62 v2(50.02,237.62) ; 15.6,217.7 U5.2 15.6,217.2 ; 19.55,224.91 19.55,228.25 19.86,228.56 SW1.1
  Top w0.6: 109.31,224.91 113.19,224.91 113.96,224.15 120.48,224.15 120.67,224.34 126.09,224.34 ; 109.31,224.91 107.56,224.91 107.81,224.91 ; 109.31,224.91 101.26,224.91 U5#2.2 ; U5#2.2 100.6,216.35 100.58,216.33 C39#2.2 ; v2(122.5,231.7) 122.5,228.2 122.1,227.8 122.1,224.34 122.64,224.34 ; C39#3.2 185.58,216.33 185.6,216.35 U5#3.2 ; 194.31,224.91 186.26,224.91 U5#3.2 ; 194.31,224.91 198.19,224.91 198.96,224.15 205.48,224.15 205.67,224.34 211.09,224.34 ; 194.31,224.91 192.56,224.91 192.81,224.91 ; 207.64,224.34 207.1,224.34 207.1,227.8 207.5,228.2 v2(207.5,231.7) ; U5#4.2 185.6,119.35 185.58,119.33 C39#4.2 ; 194.31,127.91 198.19,127.91 198.96,127.15 205.48,127.15 205.67,127.34 211.09,127.34 ; 194.31,127.91 192.56,127.91 192.81,127.91 ; 194.31,127.91 186.26,127.91 U5#4.2 ; 207.64,127.34 207.1,127.34 207.1,130.8 207.5,131.2 v2(207.5,134.7) ; C39#5.2 100.58,119.33 100.6,119.35 U5#5.2 ; 109.31,127.91 101.26,127.91 U5#5.2 ; 109.31,127.91 113.19,127.91 113.96,127.15 120.48,127.15 120.67,127.34 126.09,127.34 ; 109.31,127.91 107.56,127.91 107.81,127.91 ; 122.64,127.34 122.1,127.34 122.1,130.8 122.5,131.2 v2(122.5,134.7) ; 24.31,127.91 28.19,127.91 28.96,127.15 35.48,127.15 35.67,127.34 41.09,127.34 ; 24.31,127.91 22.56,127.91 22.81,127.91 ; 24.31,127.91 16.26,127.91 U5#6.2 ; U5#6.2 15.6,119.35 15.58,119.33 C39#6.2 ; v2(37.5,134.7) 37.5,131.2 37.1,130.8 37.1,127.34 37.64,127.34 ; 194.31,30.91 186.26,30.91 U5#7.2 ; 194.31,30.91 198.19,30.91 198.96,30.15 205.48,30.15 205.67,30.34 211.09,30.34 ; 194.31,30.91 192.56,30.91 192.81,30.91 ; C39#7.2 185.58,22.33 185.6,22.35 U5#7.2 ; 207.64,30.34 207.1,30.34 207.1,33.8 207.5,34.2 v2(207.5,37.7) ; 109.31,30.91 107.56,30.91 107.81,30.91 ; 109.31,30.91 101.26,30.91 U5#8.2 ; 109.31,30.91 113.19,30.91 113.96,30.15 120.48,30.15 120.67,30.34 126.09,30.34 ; C39#8.2 100.58,22.33 100.6,22.35 U5#8.2 ; 122.64,30.34 122.1,30.34 122.1,33.8 122.5,34.2 v2(122.5,37.7) ; 24.31,30.91 22.56,30.91 22.81,30.91 ; 24.31,30.91 28.19,30.91 28.96,30.15 35.48,30.15 35.67,30.34 41.09,30.34 ; 24.31,30.91 16.26,30.91 U5#9.2 ; C39#9.2 15.58,22.33 15.6,22.35 U5#9.2 ; v2(37.5,37.7) 37.5,34.2 37.1,33.8 37.1,30.34 37.64,30.34 ; U5.2 15.6,216.35 15.58,216.33 C39.2 ; 24.31,224.91 28.19,224.91 28.96,224.15 35.48,224.15 35.67,224.34 41.09,224.34 ; 24.31,224.91 22.56,224.91 22.81,224.91 ; 24.31,224.91 16.26,224.91 U5.2 ; 37.64,224.34 37.1,224.34 37.1,227.8 37.5,228.2 v2(37.5,231.7)
  Bottom w0.216: v1(144.17,211.02) 144.73,211.58 144.73,212.94 144.62,213.06 144.62,214.73 144.73,214.84 144.73,228.71 144.62,228.82 144.62,233.15 143.99,233.78 143.99,234.65 144.19,234.84 144.19,235.52 143.71,235.99 v1(143.29,235.99) ; v1(229.17,211.02) 229.73,211.58 229.73,212.94 229.62,213.06 229.62,214.73 229.73,214.84 229.73,228.71 229.62,228.82 229.62,233.15 228.99,233.78 228.99,234.65 229.19,234.84 229.19,235.52 228.71,235.99 v1(228.29,235.99) ; v1(229.17,114.02) 229.73,114.58 229.73,115.94 229.62,116.06 229.62,117.73 229.73,117.84 229.73,131.71 229.62,131.82 229.62,136.15 228.99,136.78 228.99,137.65 229.19,137.84 229.19,138.52 228.71,138.99 v1(228.29,138.99) ; v1(144.17,114.02) 144.73,114.58 144.73,115.94 144.62,116.06 144.62,117.73 144.73,117.84 144.73,131.71 144.62,131.82 144.62,136.15 143.99,136.78 143.99,137.65 144.19,137.84 144.19,138.52 143.71,138.99 v1(143.29,138.99) ; v1(59.17,114.02) 59.73,114.58 59.73,115.94 59.62,116.06 59.62,117.73 59.73,117.84 59.73,131.71 59.62,131.82 59.62,136.15 58.99,136.78 58.99,137.65 59.19,137.84 59.19,138.52 58.71,138.99 v1(58.29,138.99) ; v1(228.29,41.99) 228.71,41.99 229.19,41.52 229.19,40.84 228.99,40.65 228.99,39.78 229.62,39.15 229.62,34.82 229.73,34.71 229.73,20.84 229.62,20.73 229.62,19.06 229.73,18.94 229.73,17.58 v1(229.17,17.02) ; v1(143.29,41.99) 143.71,41.99 144.19,41.52 144.19,40.84 143.99,40.65 143.99,39.78 144.62,39.15 144.62,34.82 144.73,34.71 144.73,20.84 144.62,20.73 144.62,19.06 144.73,18.94 144.73,17.58 v1(144.17,17.02) ; v1(58.29,41.99) 58.71,41.99 59.19,41.52 59.19,40.84 58.99,40.65 58.99,39.78 59.62,39.15 59.62,34.82 59.73,34.71 59.73,20.84 59.62,20.73 59.62,19.06 59.73,18.94 59.73,17.58 v1(59.17,17.02) ; v1(58.29,235.99) 58.71,235.99 59.19,235.52 59.19,234.84 58.99,234.65 58.99,233.78 59.62,233.15 59.62,228.82 59.73,228.71 59.73,214.84 59.62,214.73 59.62,213.06 59.73,212.94 59.73,211.58 v1(59.17,211.02)
  Bottom w0.6: v2(135.02,237.62) 135.02,227.25 v1(133.58,225.81) 127.69,231.7 v2(122.5,231.7) ; v2(207.5,231.7) 212.69,231.7 v1(218.58,225.81) 220.02,227.25 v2(220.02,237.62) ; v2(220.02,140.62) 220.02,130.25 v1(218.58,128.81) 212.69,134.7 v2(207.5,134.7) ; v2(122.5,134.7) 127.69,134.7 v1(133.58,128.81) 135.02,130.25 v2(135.02,140.62) ; v2(50.02,140.62) 50.02,130.25 v1(48.58,128.81) 42.69,134.7 v2(37.5,134.7) ; v2(207.5,37.7) 212.69,37.7 v1(218.58,31.81) 220.02,33.25 v2(220.02,43.62) ; v2(122.5,37.7) 127.69,37.7 v1(133.58,31.81) 135.02,33.25 v2(135.02,43.62) ; v2(37.5,37.7) 42.69,37.7 v1(48.58,31.81) 50.02,33.25 v2(50.02,43.62) ; v2(37.5,231.7) 42.69,231.7 v1(48.58,225.81) 50.02,227.25 v2(50.02,237.62)
  vias: v1(13,222.25) v1(13,220.98) v1(13,219.71) v1(13,125.25) v1(13,123.98) v1(13,122.71) v1(13,28.25) v1(13,26.98) v1(13,25.71) v1(13.63,221.62) v1(13.63,220.34) v1(13.63,124.62) v1(13.63,123.34) v1(13.63,27.62) v1(13.63,26.35) v1(14.27,222.25) v1(14.27,220.98) v1(14.27,219.71) v1(14.27,125.25) v1(14.27,123.98) v1(14.27,122.71) v1(14.27,28.25) v1(14.27,26.98) v1(14.27,25.71) v1(14.91,221.62) v1(14.91,220.34) v1(14.91,124.62) v1(14.91,123.34) v1(14.91,27.62) v1(14.91,26.35) v1(15.54,222.25) v1(15.54,220.98) v1(15.54,219.71) v1(15.54,125.25) v1(15.54,123.98) v1(15.54,122.71) v1(15.54,28.25) v1(15.54,26.98) v1(15.54,25.71) v1(16.17,221.62) v1(16.17,220.34) v1(16.17,124.62) v1(16.17,123.34) v1(16.17,27.62) v1(16.17,26.35) v1(16.81,222.25) v1(16.81,220.98) v1(16.81,219.71) v1(16.81,125.25) v1(16.81,123.98) v1(16.81,122.71) v1(16.81,28.25) v1(16.81,26.98) v1(16.81,25.71) v1(17.45,221.62) v1(17.45,220.34) v1(17.45,124.62) v1(17.45,123.34) v1(17.45,27.62) v1(17.45,26.35) v1(18.08,222.25) v1(18.08,220.98) v1(18.08,219.71) v1(18.08,125.25) v1(18.08,123.98) v1(18.08,122.71) v1(18.08,28.25) v1(18.08,26.98) v1(18.08,25.71) v1(36.7,204.99) v1(36.7,107.99) v1(36.7,10.99) v1(98,222.25) v1(98,220.98) v1(98,219.71) v1(98,125.25) v1(98,123.98) v1(98,122.71) v1(98,28.25) v1(98,26.98) v1(98,25.71) v1(98.63,221.62) v1(98.63,220.34) v1(98.63,124.62) v1(98.63,123.34) v1(98.63,27.62) v1(98.63,26.35) v1(99.27,222.25) v1(99.27,220.98) v1(99.27,219.71) v1(99.27,125.25) v1(99.27,123.98) v1(99.27,122.71) v1(99.27,28.25) v1(99.27,26.98) v1(99.27,25.71) v1(99.91,221.62) v1(99.91,220.34) v1(99.91,124.62) v1(99.91,123.34) v1(99.91,27.62) v1(99.91,26.35) v1(100.54,222.25) v1(100.54,220.98) v1(100.54,219.71) v1(100.54,125.25) v1(100.54,123.98) v1(100.54,122.71) v1(100.54,28.25) v1(100.54,26.98) v1(100.54,25.71) v1(101.18,221.62) v1(101.18,220.34) v1(101.18,124.62) v1(101.18,123.34) v1(101.18,27.62) v1(101.18,26.35) v1(101.81,222.25) v1(101.81,220.98) v1(101.81,219.71) v1(101.81,125.25) v1(101.81,123.98) v1(101.81,122.71) v1(101.81,28.25) v1(101.81,26.98) v1(101.81,25.71) v1(102.44,221.62) v1(102.44,220.34) v1(102.44,124.62) v1(102.44,123.34) v1(102.44,27.62) v1(102.44,26.35) v1(103.08,222.25) v1(103.08,220.98) v1(103.08,219.71) v1(103.08,125.25) v1(103.08,123.98) v1(103.08,122.71) v1(103.08,28.25) v1(103.08,26.98) v1(103.08,25.71) v1(121.7,204.99) v1(121.7,107.99) v1(121.7,10.99) v1(183,222.25) v1(183,220.98) v1(183,219.71) v1(183,125.25) v1(183,123.98) v1(183,122.71) v1(183,28.25) v1(183,26.98) v1(183,25.71) v1(183.63,221.62) v1(183.63,220.34) v1(183.63,124.62) v1(183.63,123.34) v1(183.63,27.62) v1(183.63,26.35) v1(184.27,222.25) v1(184.27,220.98) v1(184.27,219.71) v1(184.27,125.25) v1(184.27,123.98) v1(184.27,122.71) v1(184.27,28.25) v1(184.27,26.98) v1(184.27,25.71) v1(184.91,221.62) v1(184.91,220.34) v1(184.91,124.62) v1(184.91,123.34) v1(184.91,27.62) v1(184.91,26.35) v1(185.54,222.25) v1(185.54,220.98) v1(185.54,219.71) v1(185.54,125.25) v1(185.54,123.98) v1(185.54,122.71) v1(185.54,28.25) v1(185.54,26.98) v1(185.54,25.71) v1(186.18,221.62) v1(186.18,220.34) v1(186.18,124.62) v1(186.18,123.34) v1(186.18,27.62) v1(186.18,26.35) v1(186.81,222.25) v1(186.81,220.98) v1(186.81,219.71) v1(186.81,125.25) v1(186.81,123.98) v1(186.81,122.71) v1(186.81,28.25) v1(186.81,26.98) v1(186.81,25.71) v1(187.44,221.62) v1(187.44,220.34) v1(187.44,124.62) v1(187.44,123.34) v1(187.44,27.62) v1(187.44,26.35) v1(188.08,222.25) v1(188.08,220.98) v1(188.08,219.71) v1(188.08,125.25) v1(188.08,123.98) v1(188.08,122.71) v1(188.08,28.25) v1(188.08,26.98) v1(188.08,25.71) v1(206.7,204.99) v1(206.7,107.99) v1(206.7,10.99)